# Altium PCB MAIN_PILL_PCB.PcbDoc
Units mm, origin at the board's own origin, x right, y up, seen from the top; angles counter-clockwise.
Board outline 93.09 x 88.01 mm, 2 copper layers (Top Layer, Bottom Layer); 71 components, 63 nets, 281 pads, 97 vias.
Unrouted connection lines stored in the file: 29.
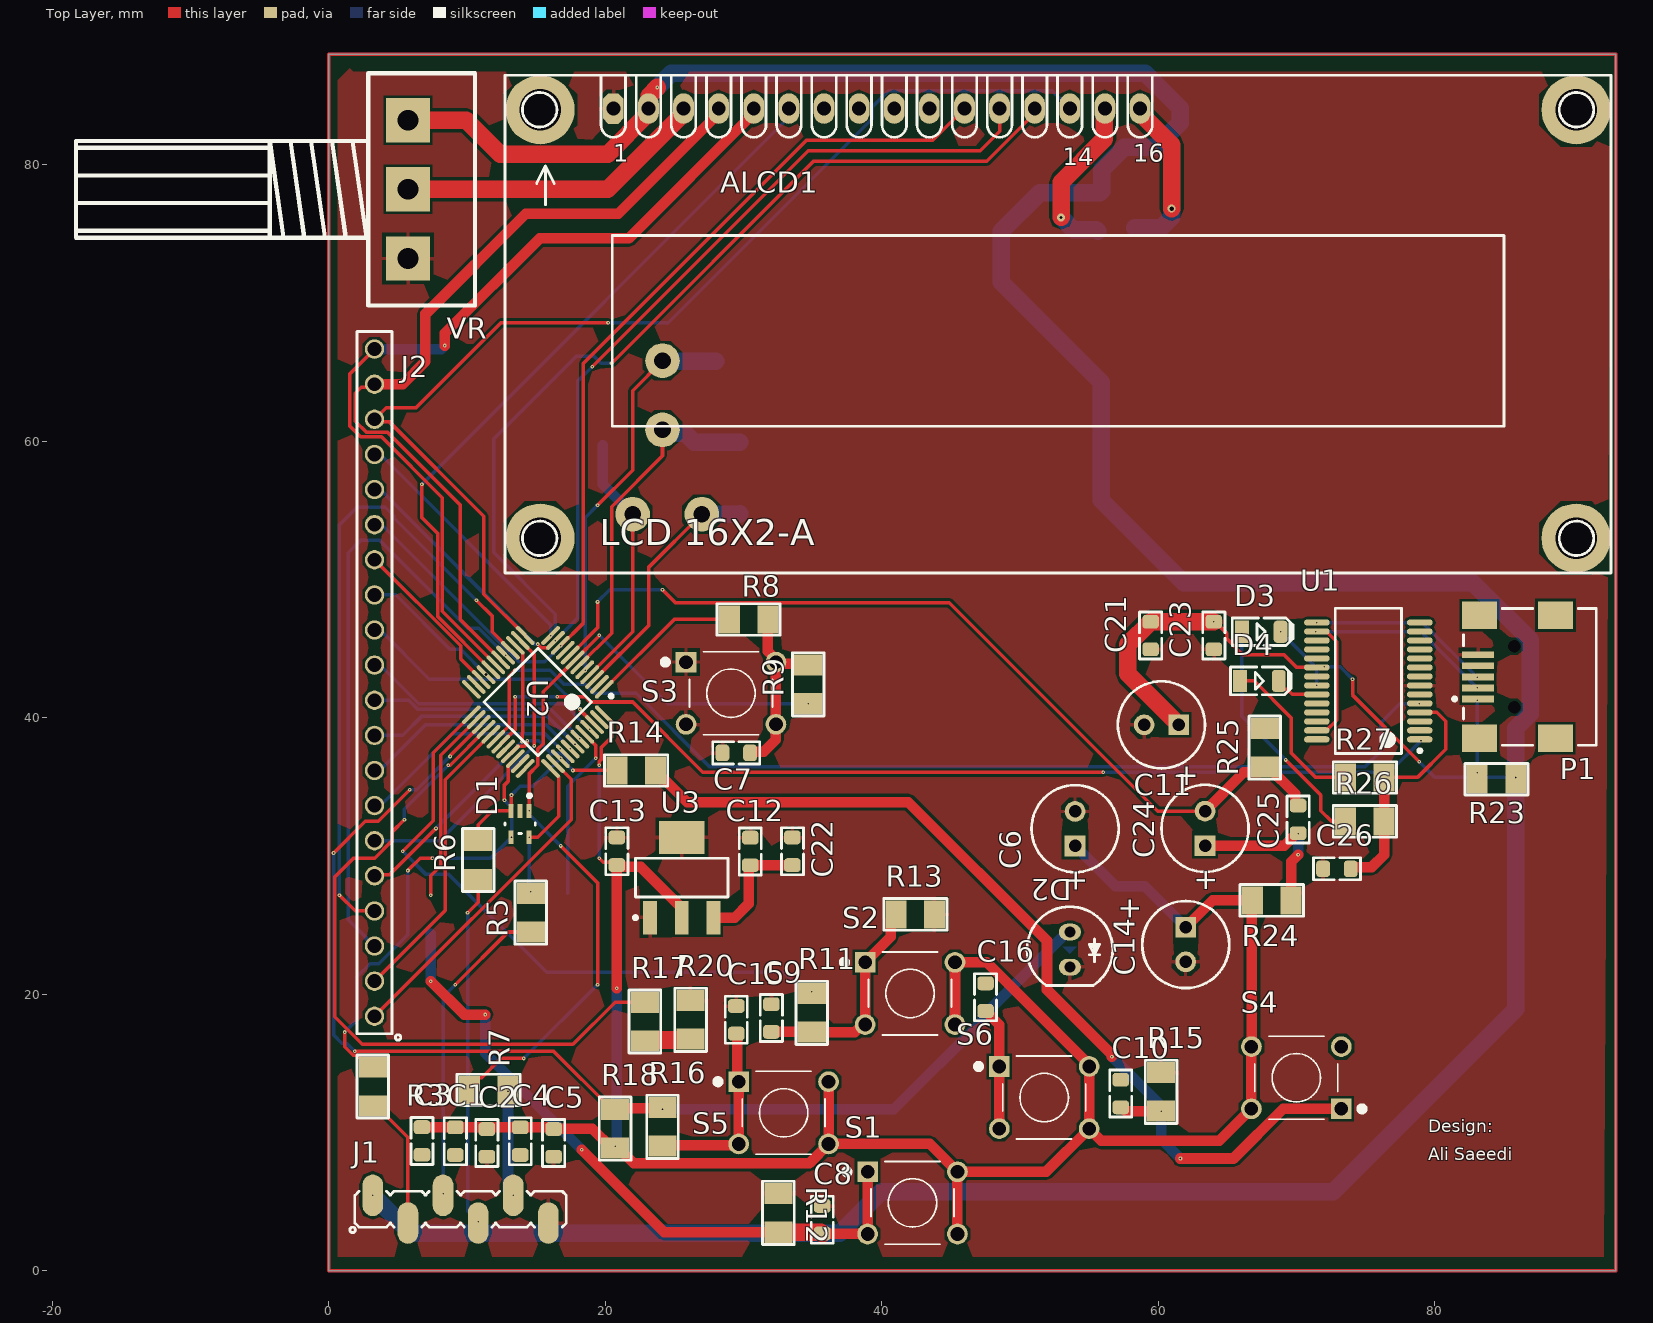
[diagram p0: Top Layer view]
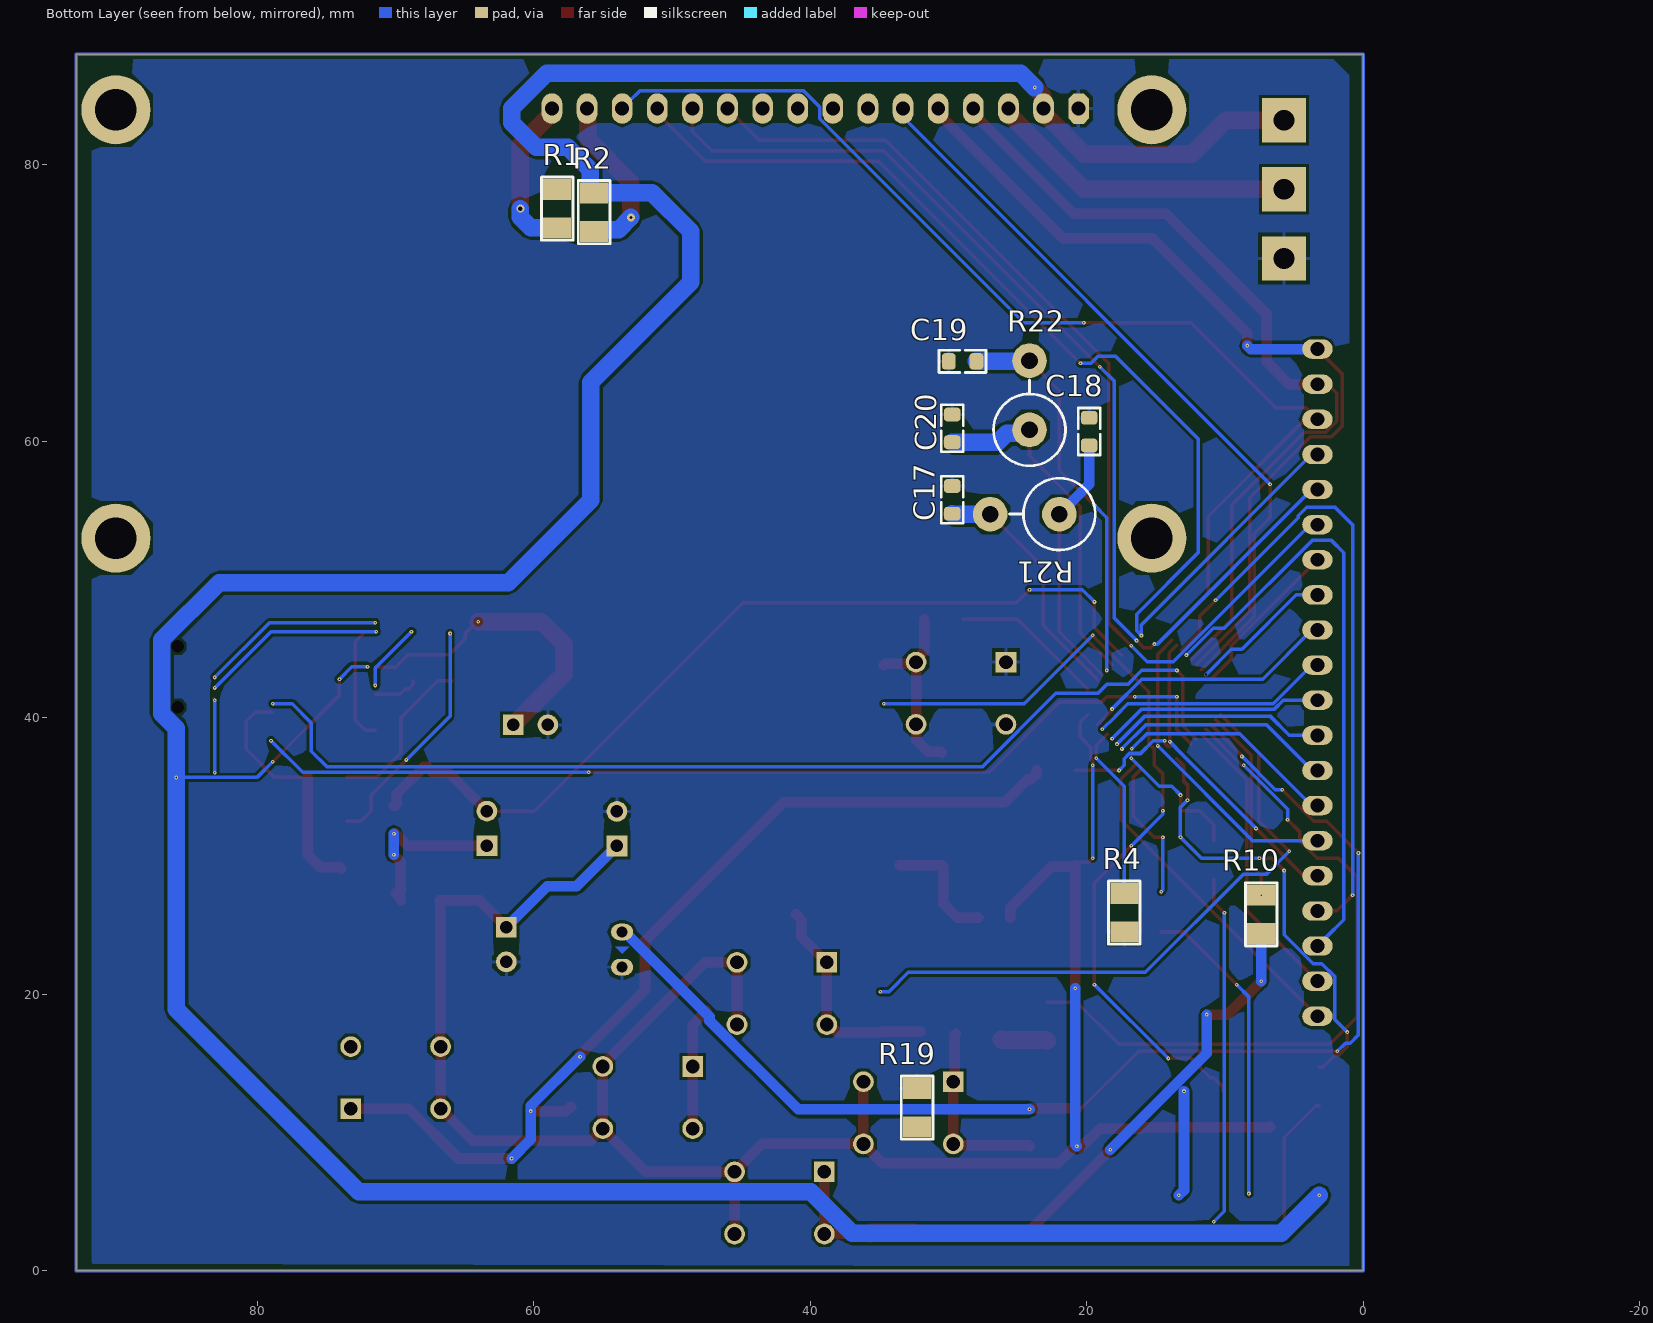
[diagram p1: Bottom Layer view, seen from below]

## Layer stack, top to bottom
Top Solder: solder mask 0.0102, Solder Resist, Dk 3.5
Top Layer: signal copper 0.0356
Dielectric 1: dielectric 0.32, FR-4, Dk 4.8
Bottom Layer: signal copper 0.0356
Bottom Solder: solder mask 0.0102, Solder Resist, Dk 3.5

## Board outline
0,0 0,88.011 93.091,88.011 93.091,0

## Design rules (kind name [scope] priority, off if disabled: settings)
Clearance [All] p1: gap=0.01 ignorepadtopadclearanceinfootprint=TRUE
PolygonConnect [All] p1: connectstyle=Relief reliefconductorwidth=0.254 reliefentries=4 polygonreliefangle="90 Angle" airgapwidth=0.254
RoutingVias [All] p1: holewidth=0.1 width=0.2 viastyle="Through Hole" minholewidth=0.1 minwidth=0.2 maxholewidth=0.711 maxwidth=1.27
SilkToSolderMaskClearance [IsPad] p1: minsilkscreentomaskgap=0.001 clearancetoexposedcopper=TRUE
SolderMaskExpansion [All] p1: expansion=0.102 istentingtop=FALSE soldermaskfromhole=TRUE
UnRoutedNet [All] p1: checkbadconnections=TRUE
Width [All] p1: maxlimit=1.27 minlimit=0.254 preferedwidth=0.762 minimp=50.000000 maximp=50.000000 favimp=50.000000
28 further rules are at their usual default settings.

## Components (designator, comment, footprint, x,y, rotation, side; value= is the part's Value field where it differs from the comment)
ALCD1 "LCD_2X16 GREEN" "LCD_2X16 GREEN" 323.68,298.809 r180 top
C1 "Capacitor C SMD 0805" C0805 9.144,9.382 r90 top value=100nf
C2 "Capacitor C SMD 0805" C0805 11.43,9.255 r90 top value=100nf
C3 "Capacitor C SMD 0805" C0805 6.731,9.398 r90 top value=100nf
C4 "Capacitor C SMD 0805" C0805 13.843,9.382 r90 top value=100nf
C5 "Capacitor C SMD 0805" C0805 16.256,9.255 r90 top value=100nf
C6 "Capacitor Electrical THD" Cap_2_(2.5mm) 53.975,31.984 r90 top value=2.2uf
C7 "Capacitor C SMD 0805" C0805 29.464,37.465 r0 top value=100nf
C8 "Capacitor C SMD 0805" C0805 35.687,3.699 r270 top value=100nf
C9 "Capacitor C SMD 0805" C0805 32.004,18.288 r270 top value=100nf
C10 "Capacitor C SMD 0805" C0805 57.277,12.827 r270 top value=100nf
C11 "Capacitor Electrical THD" Cap_2_(2.5mm) 60.218,39.497 r180 top value=10uf
C12 "Capacitor C SMD 0805" C0805 30.48,30.337 r270 top value=100nf
C13 "Capacitor C SMD 0805" C0805 20.828,30.353 r270 top value=100nf
C14 "Capacitor Electrical THD" Cap_2_(2.5mm) 61.976,23.602 r270 top value=10uf
C15 "Capacitor C SMD 0805" C0805 29.464,18.161 r270 top value=100nf
C16 "Capacitor C SMD 0805" C0805 47.498,19.796 r270 top value=100nf
C17 "Capacitor C SMD 0805" C0805 29.718,55.769 r90 bottom value=100nf
C18 "Capacitor C SMD 0805" C0805 19.812,60.706 r90 bottom value=100nf
C19 "Capacitor C SMD 0805" C0805 28.972,65.786 r0 bottom value=100nf
C20 "Capacitor C SMD 0805" C0805 29.718,60.944 r90 bottom value=100nf
C21 "Capacitor C SMD 0805" C0805 59.436,45.958 r90 top value=100nf
C22 "Capacitor C SMD 0805" C0805 33.528,30.353 r270 top value=100nf
C23 "Capacitor C SMD 0805" C0805 64.008,45.958 r90 top value=100nf
C24 "Capacitor Electrical THD" Cap_2_(2.5mm) 63.373,32.004 r90 top value=10uf
C25 "Capacitor C SMD 0805" C0805 70.104,32.655 r270 top value=100nf
C26 "Capacitor C SMD 0805" C0805 72.914,29.083 r180 top value=100nf
D1 "ESDA6V1W5" FP-SOT323-5L-MFG 13.828,32.319 r270 top value=90pF
D2 "LED THD 5mm" "LED THD 5mm (Green)" 53.594,23.241 r270 top
D3 "LED SMD 1206" "LED SMD 1206 (Blue)" 67.437,46.228 r0 top
D4 "LED SMD 1206" "LED SMD 1206 (Blue)" 67.31,42.672 r0 top
J1 "HDRM6" HDRS_M_1X6 9.525,4.461 r0 top
J2 "HDRF20" HDR_F_1X20 3.302,42.545 r90 top
P1 "USB mini" USB/SM0.8-6H5 90.975,42.967 r0 top
R1 "Resistor SMD 1206" SMD-1206-RES 58.293,76.835 r0 bottom value=1K
R2 "Resistor SMD 1206" SMD-1206-RES 55.626,76.581 r0 bottom value=1K
R3 "Resistor SMD 1206" SMD-1206-RES 3.175,13.335 r0 top value=10K
R4 "Resistor SMD 1206" SMD-1206-RES 17.272,25.908 r0 bottom value=10K
R5 "Resistor SMD 1206" SMD-1206-RES 14.605,25.908 r0 top value=10K
R6 "Resistor SMD 1206" SMD-1206-RES 10.795,29.718 r0 top value=10K
R7 "Resistor SMD 1206" SMD-1206-RES 11.557,13.081 r90 top value=10K
R8 "Resistor SMD 1206" SMD-1206-RES 30.353,47.117 r270 top value=10K
R9 "Resistor SMD 1206" SMD-1206-RES 34.671,42.418 r0 top value=1K
R10 "Resistor SMD 1206" SMD-1206-RES 7.366,25.781 r0 bottom value=1K
R11 "Resistor SMD 1206" SMD-1206-RES 34.925,18.669 r180 top value=1K
R12 "Resistor SMD 1206" SMD-1206-RES 32.512,4.191 r0 top value=10K
R13 "Resistor SMD 1206" SMD-1206-RES 42.418,25.781 r270 top value=10K
R14 "Resistor SMD 1206" SMD-1206-RES 22.225,36.195 r270 top value=1K
R15 "Resistor SMD 1206" SMD-1206-RES 60.198,12.954 r0 top value=10K
R16 "Resistor SMD 1206" SMD-1206-RES 24.13,10.414 r180 top value=1K
R17 "Resistor SMD 1206" SMD-1206-RES 22.86,18.034 r180 top value=1K
R18 "Resistor SMD 1206" SMD-1206-RES 20.701,10.287 r0 top value=10K
R19 "Resistor SMD 1206" SMD-1206-RES 32.258,11.811 r180 bottom value=10K
R20 "Resistor SMD 1206" SMD-1206-RES 26.162,18.161 r0 top value=10K
R21 "Resistor THD" R2W_AX_VER 24.471,54.737 r0 bottom value=1K
R22 "Resistor THD" R2W_AX_VER 24.13,63.333 r90 bottom value=1K
R23 "Resistor SMD 1206" SMD-1206-RES 84.455,35.56 r90 top value=10K
R24 "Resistor SMD 1206" SMD-1206-RES 68.199,26.797 r90 top value=10K
R25 "Resistor SMD 1206" SMD-1206-RES 67.691,37.846 r0 top value=10K
R26 "Resistor SMD 1206" SMD-1206-RES 74.93,32.512 r270 top value=1K
R27 "Resistor SMD 1206" SMD-1206-RES 74.93,35.687 r270 top value=1K
S1 "FSM8JH" SW_FSM8JH 42.216,4.917 r0 top
S2 "FSM8JH" SW_FSM8JH 42.037,20.066 r0 top
S3 "FSM8JH" SW_FSM8JH 29.083,41.783 r0 top
S4 "FSM8JH" SW_FSM8JH 69.977,13.97 r180 top
S5 "FSM8JH" SW_FSM8JH 32.893,11.43 r0 top
S6 "FSM8JH" SW_FSM8JH 51.741,12.537 r0 top
U1 "FT232RL" FTDI-SSOP-28_M 75.184,42.672 r180 top
U2 "STM32F103C8T6" STM-LQFP48_N 15.113,41.148 r225 top
U3 "LM1117IMP-x.x" SOT223 25.527,28.448 r0 top
VR "Volume" Volume 5.715,78.232 r270 top value=1K

## Footprints (in the part's own frame and the unit in brackets; to place one, negate y for a bottom-side part, rotate by r counter-clockwise, add the part's x,y. Pads: shape width x height; smd on the part's side, far side on the other; paste and mask are expansions set on the pad)
C0805 [mm] "CHIP Capacitor, 2.0X1.3mm, 0805 www.smartw.ir"
  rrect50% 1x1.2 smd mask+0.075: 1(-1,0) 2(1,0)
  Top Layer pour cut-out: -0.5,0.8 0.5,0.8 0.5,-0.8 -0.5,-0.8
  silkscreen extent -1.7,-0.8 1.7,0.8, body extent -1,-0.62 1,0.63, height 1
Cap_2_(2.5mm) [mm] "Capacitor, Electrolytic, Radial; Body 6.3 x 6.8 mm (Dia.xH typ); Pin Spacing 2.5 mm (typ)  (www.smartw.ir)"
  rect 1.5x1.5 hole 0.9: 1(-1.25,0)
  round 1.5 hole 0.9: 2(1.25,0)
  silkscreen extent -3.15,-3.15 3.15,3.15, body extent -3.15,-3.14 3.15,3.14, height 11
FP-SOT323-5L-MFG [mm]
  rect 1x0.35 smd paste+0 mask+0: 1(-0.95,0.65) 2(-0.95,0) 3(-0.95,-0.65) 4(0.95,-0.65) 5(0.95,0.65)
  silkscreen extent -2.17,-1.1 0.67,1.1, body extent -1.55,-1.2 1.55,1.2, height 0.25
FTDI-SSOP-28_M [mm] "SOP, 28-Leads, Body 10.5x5.6mm, Pitch 0.65mm, IPC Low Density"
  oval 1.85x0.45 smd: 1(-3.725,4.225) 2(-3.725,3.575) 3(-3.725,2.925) 4(-3.725,2.275) 5(-3.725,1.625) 6(-3.725,0.975) 7(-3.725,0.325) 8(-3.725,-0.325) 9(-3.725,-0.975) 10(-3.725,-1.625) 11(-3.725,-2.275) 12(-3.725,-2.925) 13(-3.725,-3.575) 14(-3.725,-4.225) 15(3.725,-4.225) 16(3.725,-3.575) 17(3.725,-2.925) 18(3.725,-2.275) 19(3.725,-1.625) 20(3.725,-0.975) 21(3.725,-0.325) 22(3.725,0.325) 23(3.725,0.975) 24(3.725,1.625) 25(3.725,2.275) 26(3.725,2.925) 27(3.725,3.575) 28(3.725,4.225)
  silkscreen extent -3.85,-5.25 2.4,5.25, body extent -3.9,-5.25 3.9,5.25, height 2
HDR_F_1X20 [mm] "Connector; Header; 20 Position"
  round 1.4 / inner round 1.4 / far side oval 1.4x2.2 hole 1: 1(-24.13,0) 2(-21.59,0) 3(-19.05,0) 4(-16.51,0) 5(-13.97,0) 6(-11.43,0) 7(-8.89,0) 8(-6.35,0) 9(-3.81,0) 10(-1.27,0) 11(1.27,0) 12(3.81,0) 13(6.35,0) 14(8.89,0) 15(11.43,0) 16(13.97,0) 17(16.51,0) 18(19.05,0) 19(21.59,0) 20(24.13,0)
  silkscreen extent -25.86,-1.9 25.4,1.27, body extent -25.4,-1.27 25.4,1.27, height 8.5
HDRS_M_1X6 [mm] "Connector; Header; 6 Position, SMD"
  oval 1.5x3 smd: 1(-6.35,1) 2(-3.81,-1) 3(-1.27,1) 4(1.27,-1) 5(3.81,1) 6(6.35,-1)
  silkscreen extent -8.01,-1.7 7.65,1.3, body extent -7.62,-2.4 7.62,2.4, height 9.68
"LCD_2X16 GREEN" [mm]
  oct 1.5x2.2 hole 1: 1(303.106,214.735)
  oval 1.5x2.2 hole 1: 2(300.566,214.735) 3(298.026,214.735) 4(295.486,214.735) 5(292.946,214.735) 6(290.406,214.735) 7(287.866,214.735) 8(285.326,214.735) 9(282.786,214.735) 10(280.246,214.735) 11(277.706,214.735) 12(275.166,214.735) 13(272.626,214.735) 14(270.086,214.735) 15(267.546,214.735) 16(265.006,214.735)
  round 5 hole 3: ""(233.468,214.822) ""(233.468,245.81) ""(308.398,214.822) ""(308.398,245.81)
  silkscreen extent 230.94,212.32 310.94,248.32, body extent 230.84,212.24 310.99,248.43, height 20.6
"LED SMD 1206 (Blue)" [mm] "(www.Smartw.ir)"
  rect 1x1.6 smd mask+0.075: 1(-1.4,0)
  rrect50% 1x1.6 smd mask+0.075: 2(1.4,0)
  Top Layer pour cut-out: -1.1,1.1 -1.1,-1.1 1.1,-1.1 1.1,1.1
  silkscreen extent -2.1,-1 2.3,1, body extent -1.6,-0.8 1.6,0.8, height 0.68
"LED THD 5mm (Green)" [mm] "(www.Smartw.ir)"
  oval 1.2x1.6 hole 0.8: 1(-1.27,0) 2(1.27,0)
  Bottom Layer region: -0.2,0.5 -0.2,-0.5 0.3,0
  silkscreen extent -3.1,-3.1 2.6,3.1, body extent -3,-3 2.5,3, height 9.14
R2W_AX_VER [mm] "RESISTOR 2 WATT, AXIAL0.8"
  round 2.5 hole 1.2: 1(-2.5,0) 2(2.5,0)
  silkscreen extent -5.1,-2.6 1.1,2.6, body extent -5,-2.5 2.9,2.5, height 20.3
SMD-1206-RES [mil]
  rect 80x60 smd: 1(0,55) 2(0,-55)
  silkscreen extent -45,-90 45,90, body extent -34,-66 34,66, height 33
SOT223 [mm] "(www.Smartw.ir)"
  rect 1x2.4 smd: 1(-2.3,-2.9) 2(0,-2.9) 3(2.3,-2.9)
  rect 3.3x2.4 smd: 4(0,2.9)
  silkscreen extent -3.47,-3.02 3.35,1.4, body extent -3.25,-3.48 3.25,3.48, height 1.66
STM-LQFP48_N [mm] "QFP, 48-Leads, Body 7x7mm, Pitch 0.5mm, IPC Medium Density (www.Smartw.ir)"
  oval 1.8x0.3 smd: 1(-4.05,2.75) 2(-4.05,2.25) 3(-4.05,1.75) 4(-4.05,1.25) 5(-4.05,0.75) 6(-4.05,0.25) 7(-4.05,-0.25) 8(-4.05,-0.75) 9(-4.05,-1.25) 10(-4.05,-1.75) 11(-4.05,-2.25) 12(-4.05,-2.75) 25(4.05,-2.75) 26(4.05,-2.25) 27(4.05,-1.75) 28(4.05,-1.25) 29(4.05,-0.75) 30(4.05,-0.25) 31(4.05,0.25) 32(4.05,0.75) 33(4.05,1.25) 34(4.05,1.75) 35(4.05,2.25) 36(4.05,2.75)
  oval 0.3x1.8 smd: 13(-2.75,-4.05) 14(-2.25,-4.05) 15(-1.75,-4.05) 16(-1.25,-4.05) 17(-0.75,-4.05) 18(-0.25,-4.05) 19(0.25,-4.05) 20(0.75,-4.05) 21(1.25,-4.05) 22(1.75,-4.05) 23(2.25,-4.05) 24(2.75,-4.05) 37(2.75,4.05) 38(2.25,4.05) 39(1.75,4.05) 40(1.25,4.05) 41(0.75,4.05) 42(0.25,4.05) 43(-0.25,4.05) 44(-0.75,4.05) 45(-1.25,4.05) 46(-1.75,4.05) 47(-2.25,4.05) 48(-2.75,4.05)
  silkscreen extent -4.17,-2.75 2.75,3.57, body extent -4.5,-4.5 4.5,4.5, height 1.56
SW_FSM8JH [mm]
  rect 1.498x1.498 / inner round 1.498 / far side rect 1.498x1.498 hole 0.99: 1(-3.25,2.25)
  round 1.498 hole 0.99: 2(-3.25,-2.25) 3(3.25,2.25) 4(3.25,-2.25)
  silkscreen extent -4.95,-3 3,3, body extent -3,-3.95 3,3.95, height 9.5
USB/SM0.8-6H5 [mm] "Connector; USB2.0, Type B, SM; 5 Position; Right Angle"
  rect 2.3x0.5 smd: 1(-7.85,-1.6) 2(-7.85,-0.8) 3(-7.85,0) 4(-7.85,0.8) 5(-7.85,1.6)
  rect 2.5x2 smd: 6(-7.75,4.45) 7(-2.25,4.45) 8(-7.75,-4.45) 9(-2.25,-4.45)
  round 0.6 hole 0.9 unplated: MH1(-5.25,2.2) MH2(-5.25,-2.2)
  silkscreen extent -9.67,-4.95 0.7,4.95, body extent -8.6,-4.95 0.65,4.95, height 3.93
Volume [mm]
  rect 3.2x3.2 hole 1.5: 1(-5,0) 2(5,0) 3(0,0)
  silkscreen extent -8.4,-24 8.4,4.86, body extent -7.87,-20.73 7.87,4.83, height 20.62

## Part data
D1: library part CMP-12225-000010-1, "TVS DIODE 3V SOT323-5", Breakdown Voltage=6.1V, Capacitance=90pF, Manufacturer=STMicroelectronics, Max Junction Temp=+125°C, Package=SOT323-5L, Peak Pulse Power=150W, Reverse Standoff Voltage=3V, Temperature="-40°C to +125°C", Temperature Range Low=-40°C, Automotive=No, Category=Diode, ComponentLink2Description=Datasheet, ComponentLink2URL=https://www.st.com/resource/en/datasheet/esdaxxxwx.pdf, Device Class L1="Circuit Protection", Device Class L2="TVS Diodes", Device Class L3=unset, Digikey Description="TVS DIODE 3V SOT323-5", Direction=Unidirectional, Height=1.1mm, Ipc Land Pattern Name=SOT65P210X95-5, Lead Free=Yes, Manufacturer Part Number=ESDA6V1W5, Mouser Description="TVS Diodes / ESD Suppressors 6.1V 150W Unidirect", Number Of Channels=2, Octopart=https://octopart.com/esda6v1w5-stmicroelectronics-39557953, RoHS=TRUE, Standoff Height=0mm, Temperature Range High=+125°C
J1: library part HDRS_M_1X6, "CONN, HEADER, Male, pitch: 2.54mm, 6POS, SMD", ASSEMBLY=ASSEMBLY, DESC=DESCRIPTION, MANF=Sullins, MANF_P#=PBC36SAAN, PARAM=PARAM, Price=PRICE, Website Smart World=https://www.smartw.ir/
J2: library part HDR_F_1X20, "CONN, HEADER, Female, pitch: 2.54mm, 20POS", Website Smart World=https://www.smartw.ir/
P1: "mini USB Connector", ComponentLink1Description="Website Smart World", ComponentLink1URL=https://www.smartw.ir/, ComponentLink2Description=Telegram, ComponentLink2URL=https://t.me/altium_smartw, ComponentLink3Description=Instagram, ComponentLink3URL=https://Instagram.com/smartgw.ir, DatasheetVersion=2021
S1 S2 S3 S4 S5 S6: "Tactile Switch SPST-NO Top Actuated Through Hole", Package=None, Availability="In Stock", Check_prices=https://www.snapeda.com/parts/FSM8JH/TE+Connectivity+ALCOSWITCH+Switches/view-part/?ref=eda, MF="TE Connectivity", MP=FSM8JH, Price=None, SnapEDA_Link=https://www.snapeda.com/parts/FSM8JH/TE+Connectivity+ALCOSWITCH+Switches/view-part/?ref=snap
U1: library part CMP-2000-05029-1, "IC USB FS SERIAL UART 28-SSOP", Manufacturer=FTDI, Maximum Operating Temperature=+85degC, Minimum Operating Temperature=-40degC, Package Type=SSOP, Datasheet URL=http://datasheet.octopart.com/FT232RL-FTDI-datasheet-120501.pdf, Datasheet Version="Rev. 1.04, 02/2006", Dimensions=10.2x5.3x1.75mm, Height=1.75mm, Length=10.2mm, Manufacturer URL=http://www.ftdichip.com/, Maximum Data Rate=3MBd, Mounting Type=SurfaceMount, Number of Channels per Chip=1, Pin Count=28, Receive FIFO=256B, Transmit FIFO=128B, Width=5.3mm
U2: "ARM Cortex-M3 32-bit MCU, 64 KB Flash, 20 KB Internal RAM, 37 I/Os, 48-pin LQFP, -40 to 85 degC, Tray", ComponentLink1Description="Website Smart World", ComponentLink1URL=https://www.smartw.ir/
U3: "x.x Volt, 800mA Low-Dropout Linear Regulator, 4-pin SOT-223", ComponentLink1Description="Website Smart World", ComponentLink1URL=https://www.smartw.ir/, ComponentLink2Description=Telegram, ComponentLink2URL=https://t.me/altium_smartw, ComponentLink3Description=Instagram, ComponentLink3URL=https://Instagram.com/smartgw.ir, DatasheetVersion=2021
C1 C2 C3 C4 C5 C6 C7 C8 C9 C10 C11 C12 C13 C14 C15 C16 C17 C18 C19 C20 C21 C22 C23 C24 C25 C26 D2 D3 D4 R1 R2 R3 R4 R5 R6 R7 R8 R9 R10 R11 R12 R13 R14 R15 R16 R17 R18 R19 R20 R21 R22 R23 R24 R25 R26 R27: ComponentLink1Description="Website Smart World", ComponentLink1URL=https://www.smartw.ir/, ComponentLink2Description=Telegram, ComponentLink2URL=https://t.me/altium_smartw, ComponentLink3Description=Instagram, ComponentLink3URL=https://Instagram.com/smartgw.ir, DatasheetVersion=2021
VR: Email=Razi.vesali@gmail.com, LatestRevisionDate=17-Jul-2016, LatestRevisionNote="Re-released for Puplic", Publisher="Seyed Razi vesali (SRV)"

## Via types
v1: diameter 0.27, hole 0.111, Top Layer to Bottom Layer, 94 vias
v2: diameter 0.57, hole 0.211, Top Layer to Bottom Layer, 1 vias
v3: diameter 0.57, hole 0.311, Top Layer to Bottom Layer, 1 vias
v4: diameter 0.2, hole 0.2, Top Layer to Bottom Layer, 1 vias

## Nets (pads, with @x,y where several pads share a name; then routed paths per layer and width w, separated by ;. In a path a pad name is that pad's centre, name@x,y a point inside that pad or via, vN(x,y) a via of type N, cw(c..) or ccw(c..) an arc to the next point about the centre after c; other vN are vias at no path point)
+3V3: C1.2 C2.2 C3.2 C4.2 C5.2 C6.1 C13.2 C14.1 R8.2 R18.2 R24.1 S1.3 S1.4 S2.3 S2.4 S4.3 S4.4 S5.3 S5.4 S6.3 S6.4 U2.1 U2.24 U2.36 U2.48 U3.2 | length 177.6
  Top Layer w0.254: v1(19.558,29.845) 19.562,29.845 19.847,29.56 20.621,29.56 C13.2 ; v1(19.558,36.576) 19.561,36.579 19.561,36.863 19.685,36.987 19.685,37.846 20.452,38.613 20.452,39.698 U2.48 ; U2.1 24.971,47.117 R8.2
  Top Layer w0.762: C3.2@6.723,10.406 C3.2 6.739,10.39 9.136,10.39 C1.2 C4.2 16.029,10.382 16.124,10.287 19.05,10.287 R18.2@20.447,8.89 ; v1(20.701,9.017) 20.828,9.017 22.047,7.798 34.761,7.798 S5.4 ; v1(20.828,20.447) C13.2 20.947,29.234 22.541,29.234 25.527,26.248 U3.2 ; S5.3 S5.4 ; S2.4 S2.3 47.578,22.316 54.991,14.903 S6.3 S6.4 ; S1.4 S1.3 ; C14.1 63.921,26.797 R24.1 66.765,26.76 66.765,16.257 S4.4 S4.3 64.405,9.398 55.88,9.398 S6.4 ; S5.4 43.453,9.18 S1.3 ; S1.3 51.871,7.167 S6.4
  Bottom Layer w0.254: v1(19.558,29.845) v1(19.558,36.576)
  Bottom Layer w0.762: v1(20.701,9.017) 20.828,9.144 v1(20.828,20.447) ; C6.1 56.896,27.813 59.015,27.813 C14.1
+3V3A: C24.1 C25.2 R24.2 U2.9 | length 12.5
  Top Layer w0.762: C24.1 69.103,30.754 C25.2@70.004,31.655 ; R24.2 69.596,26.924 69.977,27.305 69.723,27.305 69.596,27.432 69.596,29.591 v1(70.104,30.099)
  Bottom Layer w0.762: v1(70.104,30.099) v1(70.104,31.623)
+5: ALCD1.2 C11.1 C12.2 C21.2 C22.2 C23.2 J1.1 R2.2 R23.2 U1.20 U3.3 VR.1 | length 304.5
  Top Layer w0.254: v1(64.008,46.958) 64.108,46.958 64.929,46.137 64.929,45.749 66.101,44.577 69.088,44.577 70.018,43.647 U1.20 ; v1(74.041,42.799) 74.041,41.656 v1(78.867,36.83)
  Top Layer w0.762: U3.3 29.358,25.548 30.353,26.543 30.353,29.218 30.472,29.337 C12.2 30.488,29.345 33.52,29.345 C22.2
  Top Layer w1.27: VR.1 9.935,83.232 12.392,80.776 20.166,80.776 23.114,83.724 ALCD1.2 23.158,84.118 23.158,85.007 v1(23.749,85.598) ; C11.1 57.785,43.18 57.785,45.307 C21.2 v1(64.008,46.958)
  Bottom Layer w0.254: v1(72.009,43.688) 73.152,43.688 v1(74.041,42.799) ; v1(78.867,36.83) 80.01,35.687 v1(85.852,35.687)
  Bottom Layer w1.27: v1(3.175,5.461) 5.926,2.71 36.944,2.71 39.941,5.707 72.636,5.707 85.852,18.923 v1(85.852,35.687) 85.852,39.252 86.886,40.286 86.886,45.648 82.75,49.784 61.849,49.784 55.88,55.753 55.88,64.262 48.641,71.501 48.641,75.184 51.435,77.978 55.767,77.978 55.894,78.105 55.894,79.643 57.531,81.28 59.817,81.28 61.577,83.04 61.577,84.092 59.055,86.614 24.765,86.614 v1(23.749,85.598)
GND: ALCD1.1 C1.1 C2.1 C3.1 C4.1 C5.1 C6.2 C7.1 C8.1 C9.1 C10.1 C11.2 C12.1 C13.1 C14.2 C15.1 C16.1 C17.2 C18.2 C19.2 C20.2 C21.1 C22.1 C23.1 C26.2 D1.2 D2.2 J1.6 P1.5 R1.2 R4.1 R12.1 R13.1 R15.1 R19.1 R20.1 R25.1 S3.1 S3.2 U1.7 U1.18 U1.21 U1.25 U1.26 U2.23 U2.35 U2.47 U3.1 U3.4 VR.2
GNDA: C24.2 C25.1 R25.2 U2.8 | length 65.3
  Top Layer w0.254: U2.8 19.431,46.527 v1(19.431,48.387) ; v1(24.13,49.276) 25.07,48.336 44.882,48.336 59.964,33.254 C24.2
  Top Layer w0.762: C24.2 66.187,36.068 67.31,36.068 R25.2 67.945,36.449 69.885,34.509 69.885,33.774 70.004,33.655 C25.1
  Bottom Layer w0.254: v1(19.431,48.387) 20.32,49.276 v1(24.13,49.276)
Header_NRST: J1.5 R7.2 | length 7.7
  Bottom Layer w0.762: v1(12.954,13.005) 12.954,5.842 v1(13.335,5.461)
Header_SWCLK: J1.3 R5.2 | length 22.6
  Top Layer w0.254: J1.3 v1(8.255,5.588) ; v1(9.144,20.701) 12.954,24.511 R5.2
  Bottom Layer w0.254: v1(8.255,5.588) 8.255,19.812 v1(9.144,20.701)
Header_SWDIO: J1.2 R3.2 | length 9.7
  Top Layer w0.254: R3.2 3.429,11.938 5.715,9.652 J1.2
Header_SWO: J1.4 R6.2 | length 25.4
  Top Layer w0.254: v1(10.033,25.908) 10.795,26.67 R6.2
  Bottom Layer w0.254: v1(10.033,25.908) 10.033,4.318 v1(10.795,3.556)
LED_VEE: ALCD1.3 VR.3 | length 22.6
  Top Layer w1.27: VR.3 20.162,78.232 25.654,83.724 ALCD1.3
LEDA: ALCD1.15 R2.1 | length 12.3
  Top Layer w1.27: v2(52.959,76.2) 52.959,78.74 56.09,81.871 56.09,84.03 ALCD1.15
  Bottom Layer w1.27: v2(52.959,76.2) 53.848,75.311 55.499,75.311 R2.1
LEDK: ALCD1.16 R1.1 | length 11.8
  Top Layer w1.27: ALCD1.16 58.674,83.724 60.96,81.438 v3(60.96,76.835)
  Bottom Layer w1.27: R1.1 60.198,75.438 60.96,76.2 v3(60.96,76.835)
MICRO_BOOT0: R4.2 U2.44 | length 12.7
  Top Layer w0.254: U2.44 18.507,38.802 19.304,38.005 v1(19.304,37.084)
  Bottom Layer w0.254: R4.2 17.272,35.052 v1(19.304,37.084)
MICRO_NRST: D1.1 R7.1 R9.2 U2.7 | length 59.2
  Top Layer w0.254: R7.1 10.16,13.335 10.795,13.97 11.049,13.97 12.446,15.367 v1(14.097,15.367) ; v1(14.478,33.274) 14.478,35.941 15.113,36.576 15.113,37.749 15.494,38.13 15.494,41.883 U2.7 19.555,45.944 19.555,45.971 v1(19.558,45.974) ; v1(16.764,30.734) 19.431,28.067 v1(19.431,20.701)
  Bottom Layer w0.254: v1(14.097,15.367) v1(19.431,20.701) ; v1(14.478,33.274) 14.481,33.271 14.481,33.017 v1(16.764,30.734) ; v1(19.558,45.974) 24.511,41.021 v1(34.671,41.021)
MICRO_PA0: ALCD1.11 J2.15 U2.10 | length 74.4
  Top Layer w0.254: v1(16.764,45.212) 18.415,46.863 18.415,65.659 34.544,81.788 43.688,81.788 45.386,83.486 45.398,83.486 45.974,84.061 ALCD1.11
  Bottom Layer w0.254: J2.15 3.825,53.975 13.731,44.069 15.621,44.069 v1(16.764,45.212)
MICRO_PA1: ALCD1.12 J2.16 U2.11 | length 77.1
  Top Layer w0.254: v1(15.113,45.339) 15.116,45.336 15.116,45.312 15.356,45.073 15.856,45.073 U2.11@16.379,45.597 ; v1(19.05,65.405) 34.671,81.026 47.117,81.026 48.514,82.423 ALCD1.12
  Bottom Layer w0.254: J2.16 3.702,56.515 14.875,45.342 15.11,45.342 v1(15.113,45.339) ; v1(16.383,45.593) 17.985,47.195 17.985,64.34 v1(19.05,65.405)
MICRO_PA2: ALCD1.13 J2.17 U2.12 | length 84.5
  Top Layer w0.254: v1(20.447,65.659) 35.052,80.264 47.594,80.264 51.054,83.724 ALCD1.13
  Bottom Layer w0.254: J2.17 3.702,59.055 16.032,46.725 v1@16.032,45.961 ; v1(16.032,45.956) v1@16.032,45.961 ; v1(20.447,65.659) 19.685,65.659 19.177,66.167 17.907,66.167 11.938,60.198 11.938,51.943 16.383,47.498 16.383,46.311 v1@16.032,45.961
MICRO_PA3: ALCD1.14 J2.18 U2.13 | length 81.9
  Top Layer w0.254: U2.13 11.206,48.944 11.206,54.58 4.383,61.403 3.494,61.403 J2.18 4.142,62.435 6.301,62.435 12.446,68.58 v1(20.193,68.58)
  Bottom Layer w0.254: v1(20.193,68.58) 24.558,68.58 39.307,83.329 39.307,84.185 40.499,85.377 52.291,85.377 53.006,84.662 53.018,84.662 53.594,84.087 ALCD1.14
MICRO_PA12: R14.2 U2.33 | length 9.4
  Top Layer w0.254: U2.33 13.663,37.93 14.11,37.93 14.352,38.172 14.352,38.351 v1(14.355,38.354) ; v1(17.653,36.195) R14.2
  Bottom Layer w0.254: v1(14.355,38.354) 15.166,38.354 16.098,37.422 16.904,37.422 17.277,37.049 17.277,36.571 v1(17.653,36.195)
MICRO_PB0: ALCD1.4 J2.19 U2.18 | length 61.6
  Top Layer w0.254: J2.19 3.083,63.916 2.343,63.916 1.905,63.478 1.905,61.468 2.718,60.655 4.242,60.655 9.496,55.401 9.496,47.118 U2.18
  Top Layer w0.762: J2.19 5.334,64.135 6.985,65.786 6.985,69.215 14.224,76.454 20.924,76.454 28.194,83.724 ALCD1.4
MICRO_PB1: ALCD1.5 J2.20 U2.19 | length 64.2
  Top Layer w0.254: J2.20 1.524,64.897 1.524,61.087 2.286,60.325 3.8,60.325 8.204,55.921 8.204,47.703 U2.19
  Top Layer w0.762: v1(8.382,66.929) 8.382,67.818 15.24,74.676 21.686,74.676 30.734,83.724 ALCD1.5
  Bottom Layer w0.762: J2.20 8.128,66.675 v1(8.382,66.929)
MICRO_PB2: ALCD1.6 U2.20 | length 53.7
  Top Layer w0.254: v1(6.731,56.896) 6.731,54.481 7.874,53.338 7.874,47.33 11.719,43.485 U2.20
  Bottom Layer w0.254: v1(6.731,56.896) 6.731,56.9 33.274,83.443 ALCD1.6
MICRO_PB12: R11.2 U2.25 | length 45.7
  Top Layer w0.254: v1(5.334,30.353) 7.548,32.567 7.548,37.472 U2.25
  Bottom Layer w0.254: v1(5.334,30.353) 6.985,28.702 8.636,28.702 15.748,21.59 32.893,21.59 34.29,20.193 v1(34.925,20.193)
MICRO_PB13: R10.2 U2.26 | length 14.1
  Top Layer w0.254: v1(7.366,27.178) 7.366,28.575 8.085,29.294 8.085,37.302 U2.26
MICRO_PB14: D2.1 R16.2 R18.1 U2.27 | length 88.7
  Top Layer w0.254: v1(0.338,30.226) 2.624,32.512 3.556,32.512 v1(5.842,34.798) ; v1(1.86,15.883) 16.248,15.883 20.447,11.684 R18.1 ; v1(8.763,37.211) 8.766,37.214 8.766,37.276 U2.27
  Top Layer w0.762: R18.1 20.764,11.747 R16.2@24.066,11.747
  Bottom Layer w0.254: v1(0.338,30.226) 0.338,17.061 0.926,16.473 1.269,16.473 v1(1.86,15.883) ; v1(5.842,34.798) 5.845,34.801 6.353,34.801 v1(8.763,37.211)
  Bottom Layer w0.762: v1(24.13,11.684) 40.861,11.684 47.276,18.099 47.276,18.393 53.394,24.511 D2.1
MICRO_PB15: R17.2 U2.28 | length 50.8
  Top Layer w0.254: v1(5.461,32.639) 4.567,31.745 4.567,31.103 3.309,29.845 1.778,29.845 0.424,28.491 0.424,18.38 2.42,16.383 17.653,16.383 20.701,19.431 R17.2 ; v1(8.636,36.576) 8.639,36.579 8.776,36.579 U2.28
  Bottom Layer w0.254: v1(5.461,32.639) 5.461,33.401 v1(8.636,36.576)
MICRO_Rx: U1.1 U2.31 | length 72.6
  Top Layer w0.254: U2.31 13.462,39.143 v1(13.462,41.529) ; v1(16.51,41.529) 18.542,41.529 18.923,41.148 21.971,41.148 27.051,36.068 v1(56.007,36.068)
  Bottom Layer w0.254: v1(13.462,41.529) v1(16.51,41.529) ; v1(56.007,36.068) 76.708,36.068 v1(78.994,38.354)
MICRO_SWCLK: D1.5 R5.1 U2.37 | length 10.6
  Top Layer w0.254: v1(14.478,31.369) 15.113,31.369 16.637,32.893 16.637,35.722 16.032,36.327 U2.37 ; R5.1 v1(14.605,27.432)
  Bottom Layer w0.254: v1(14.478,31.369) 14.478,27.563 14.605,27.436 v1(14.605,27.432)
MICRO_SWDIO: D1.4 R3.1 U2.34 | length 32.4
  Top Layer w0.254: v1(1.145,17.274) 1.145,16.213 1.768,15.591 2.062,15.591 2.921,14.732 R3.1 ; v1(5.715,28.956) 6.604,29.845 v1(7.493,29.845) ; v1(12.7,34.036) 12.7,35.144 12.956,35.4 12.956,36.516 U2.34
  Bottom Layer w0.254: v1(1.145,17.274) 2.065,18.194 2.065,21.302 2.988,22.225 3.616,22.225 5.715,24.324 v1(5.715,28.956) ; v1(7.493,29.845) 11.684,29.845 v1(13.208,31.369) 13.208,33.528 v1(12.7,34.036)
MICRO_SWO: D1.3 R6.1 U2.39 | length 9.8
  Top Layer w0.254: R6.1 10.795,32.258 11.806,33.269 D1.3 13.205,33.296 13.205,34.414 v1(13.208,34.417) ; U2.39 16.739,37.059 v1(16.764,37.084)
  Bottom Layer w0.254: v1(13.208,34.417) 13.843,35.052 14.732,35.052 v1(16.764,37.084)
MICRO_Tx: U1.5 U2.30 | length 76.9
  Top Layer w0.254: U2.30 13.038,39.427 13.038,43.01 v1(13.462,43.434)
  Bottom Layer w0.254: v1(13.462,43.434) 16.002,43.434 17.018,42.418 18.542,42.418 19.177,41.783 22.225,41.783 27.559,36.449 74.93,36.449 76.073,37.592 76.073,39.624 77.47,41.021 v1(78.867,41.021)
NetC17_1: C17.1 R21.2 U2.3 | length 17.9
  Top Layer w0.254: U2.3 23.15,46.711 23.15,50.916 R21.2
  Bottom Layer w1.27: R21.2 29.686,54.737 C17.1
NetC18_1: C18.1 R21.1 U2.4 | length 18.8
  Top Layer w0.254: U2.4 21.971,46.238 R21.1
  Bottom Layer w0.762: C18.1 19.812,56.896 R21.1
NetC19_1: C19.1 R22.2 U2.5 | length 28.6
  Top Layer w0.254: U2.5 18.507,43.469 v1(18.542,43.434) ; v1(19.431,55.372) 21.971,57.912 21.971,63.674 R22.2
  Bottom Layer w0.254: v1(18.542,43.434) 18.542,54.483 v1(19.431,55.372)
  Bottom Layer w1.27: R22.2 24.177,65.786 C19.1
NetC20_1: C20.1 R22.1 U2.6 | length 25.4
  Top Layer w0.254: U2.6 20.447,46.128 20.447,55.268 24.13,58.951 R22.1
  Bottom Layer w1.27: R22.1 24.365,60.598 25.762,60.598 26.416,59.944 C20.1
NetD3_1: D3.1 R26.2 | length 17.4
  Top Layer w0.254: D3.1 66.037,46.104 v1(66.04,46.101) ; v1(69.215,36.957) 71.755,34.417 71.755,33.274 72.517,32.512 R26.2
  Bottom Layer w0.254: v1(66.04,46.101) 66.04,40.132 v1(69.215,36.957)
NetD3_2: D3.2 U1.22 | length 5
  Top Layer w0.254: v1(68.834,46.228) D3.2
  Bottom Layer w0.254: v1(68.834,46.228) 71.459,43.603 v1(71.459,42.347)
NetD4_1: D4.1 R27.2 | length 12
  Top Layer w0.254: D4.1 66.929,42.672 69.596,40.005 69.596,37.465 71.374,35.687 R27.2
NetD4_2: D4.2 U1.23 | length 3.3
  Top Layer w0.254: D4.2 68.71,42.439 69.074,42.075 69.307,42.075 69.685,41.697 U1.23
NetP1_1: P1.1 R23.1 | length 5.4
  Top Layer w0.254: v1(83.058,41.275) 83.125,41.342 P1.1
  Bottom Layer w0.254: v1(83.058,41.275) 83.058,41.271 83.071,41.258 v1(83.071,36.025)
NetP1_2: P1.2 U1.16 U1.27 | length 22.7
  Top Layer w0.254: v1(71.374,46.228) 72.178,46.228 72.898,45.508 72.898,39.836 72.159,39.097 U1.27 ; v1(83.058,42.164) 83.122,42.164 P1.2
  Bottom Layer w0.254: v1(71.374,46.228) 78.994,46.228 v1(83.058,42.164)
NetP1_3: P1.3 U1.15 | length 13.3
  Top Layer w0.254: v1(83.058,42.926) 83.084,42.926 P1.3
  Bottom Layer w0.254: v1(71.459,46.889) 75.271,46.889 75.279,46.897 79.087,46.897 v1(83.058,42.926)
Out1: J2.1 U2.38 | length 24.6
  Top Layer w0.254: J2.1 17.526,32.639 17.526,35.553 U2.38
Out2: J2.2 U2.29 | length 21.3
  Top Layer w0.254: J2.2 8.415,26.068 8.415,35.511 U2.29
Out3: J2.3 U2.17 | length 44.5
  Bottom Layer w0.254: J2.3 3.212,23.495 2.683,24.024 2.683,24.114 1.397,25.4 1.397,51.943 2.286,52.832 3.683,52.832 10.033,46.482 10.84,46.482 v1(12.78,44.542)
Out4: J2.4 U2.16 | length 47.7
  Top Layer w0.254: v1(0.762,27.178) 1.905,26.035 J2.4 ; v1(10.668,48.514) 11.811,47.371 11.811,46.218 U2.16
  Bottom Layer w0.254: v1(0.762,27.178) 0.762,53.975 2.032,55.245 4.064,55.245 4.699,54.61 4.699,54.483 v1(10.668,48.514)
Out5: J2.5 U2.15 | length 21.9
  Top Layer w0.254: J2.5 3.371,28.644 4.387,28.644 v1(7.747,32.004) ; U2.15 14.017,44.719 14.017,38.912 13.97,38.865 v1(13.97,38.269)
  Bottom Layer w0.254: v1(7.747,32.004) 13.536,37.793 13.536,37.835 v1(13.97,38.269)
Out6: J2.6 U2.14 | length 22.4
  Top Layer w0.254: U2.14 14.859,44.584 v1(14.859,37.973)
  Bottom Layer w0.254: J2.6 8.001,31.115 v1(14.859,37.973)
Out7: J2.7 U2.40 | length 16
  Bottom Layer w0.254: J2.7 3.702,33.655 8.909,38.862 15.631,38.862 v1(16.733,37.76)
Out8: J2.8 U2.41 | length 16.2
  Bottom Layer w0.254: J2.8 3.683,36.195 6.985,39.497 15.703,39.497 v1(17.446,37.754)
Out9: J2.9 U2.42 | length 15.9
  Bottom Layer w0.254: J2.9 5.334,38.735 6.731,40.132 15.775,40.132 v1(17.8,38.107)
Out10: J2.10 U2.43 | length 16
  Bottom Layer w0.254: J2.10 5.775,41.275 6.41,40.64 16.002,40.64 v1(18.161,38.481)
Out11: J2.11 U2.45 | length 17.5
  Bottom Layer w0.254: J2.11 3.702,43.815 6.496,41.021 17.018,41.021 17.938,40.101 17.938,40.091 v1(18.861,39.168)
Out12: J2.12 U2.46 | length 18.8
  Top Layer w0.254: v1(18.161,40.64) 18.164,40.637 18.164,40.572 U2.46
  Bottom Layer w0.254: J2.12 3.702,46.355 7.259,42.798 16.003,42.798 v1(18.161,40.64)
Out13: J2.13 U2.21 | length 10.5
  Bottom Layer w0.254: J2.13 4.826,48.895 8.763,44.958 9.535,44.958 v4(11.365,43.128)
Out14: J2.14 U2.22 | length 11.9
  Top Layer w0.254: J2.14 9.525,45.212 9.525,44.261 U2.22
PB_Down: C8.2 R10.1 R12.2 S1.1 S1.2 | length 48.7
  Top Layer w0.762: v1(7.366,20.955) 9.779,18.542 v1(11.303,18.542) ; v1(18.288,8.763) 24.257,2.794 R12.2 ; C8.2 35.703,2.683 38.95,2.683 S1.2 S1.1
  Top Layer w1.27: R12.2 35.592,2.794 C8.2
  Bottom Layer w0.762: v1(7.366,20.955) R10.1 ; v1(11.303,18.542) 11.303,15.748 v1(18.288,8.763)
PB_Left: C15.2 R16.1 R19.2 S5.1 S5.2 | length 13.6
  Top Layer w0.762: R16.1 24.212,9.099 29.562,9.099 S5.2 S5.1 29.554,13.769 29.554,17.071 C15.2
PB_Place: C10.2 R14.1 R15.2 S4.1 S4.2 | length 69.5
  Top Layer w0.762: R14.1 23.622,35.941 24.003,35.56 24.257,35.56 25.908,33.909 41.91,33.909 51.943,23.876 51.943,20.32 56.642,15.621 v1(56.642,15.494) ; C10.2 57.377,11.827 57.647,11.557 v1(60.198,11.557) ; v1(61.595,8.128) 65.431,8.128 69.023,11.72 S4.1
  Bottom Layer w0.762: v1(56.642,15.494) 60.198,11.938 v1(60.198,11.557) 60.198,9.525 v1(61.595,8.128)
PB_Right: C16.2 R17.1 R20.2 S6.1 S6.2 | length 12.3
  Top Layer w0.762: C16.2 47.598,18.796 47.717,18.677 47.717,18.577 48.491,17.803 S6.1 S6.2
  Top Layer w1.27: R17.1 22.924,16.7 26.098,16.7 R20.2
PB_RST: C7.2 R8.1 R9.1 S3.3 S3.4 | length 13.6
  Top Layer w0.762: C7.2 30.534,37.536 31.44,37.536 32.309,38.405 32.309,39.509 S3.4 S3.3 ; R8.1 31.75,44.815 32.333,44.232 S3.3 ; R9.1 34.562,43.924 32.442,43.924 S3.3
PB_Up: C9.2 R11.1 R13.2 S2.1 S2.2 | length 15.9
  Top Layer w0.762: C9.2 32.012,17.28 34.917,17.28 R11.1 38.044,17.272 38.588,17.816 S2.2 S2.1 40.64,24.169 40.64,25.4 R13.2
VCCIO: C26.1 R26.1 R27.1 U1.4 U1.17 | length 17.9
  Top Layer w0.254: R27.1 78.74,35.687 80.772,37.719 80.772,39.751 80.126,40.397 U1.4
  Top Layer w0.762: C26.1 73.914,29.091 74.033,29.21 75.438,29.21 76.327,30.099 R26.1 R27.1
pads on no net: ALCD1. ALCD1.7 ALCD1.8 ALCD1.9 ALCD1.10 P1.4 P1.6 P1.7 P1.8 P1.9 P1.MH1 P1.MH2 U1.2 U1.3 U1.6 U1.8 U1.9 U1.10 U1.11 U1.12 U1.13 U1.14 U1.19 U1.24 U1.28 U2.2 U2.32

## Polygon pours and split planes (outlines as drawn)
GND on Bottom Layer "GND_L02_P000" (solid, pour order 0): 92.075,0.508 91.948,0.635 91.948,87.63 2.159,87.63 1.016,86.487 1.016,0.254
GND on Top Layer "GND_L01_P002" (solid, pour order 2): 92.71,86.741 1.778,86.741 1.524,86.995 0.635,86.106 0.635,1.016 92.202,1.016

## Other copper
Multi-Layer:
  the board outline again, w0.254

## Silkscreen, mask and mechanical layers (free items; w line width, h text height)
Top Overlay:
  text "Design:" at 79.502,9.686 h1.52
  text "Ali Saeedi" at 79.534,7.672 h1.52

## Text inside footprints (layer, text, board x,y; h text height)
ALCD1: Top Overlay "LCD 16X2-A" at 19.6,52.491 h1.91; Top Overlay "16" at 58.166,80.22 h1.27; Top Overlay "1" at 20.574,80.22 h1.27; Top Overlay "14" at 53.086,79.966 h1.27
C6: Top Overlay "+" at 54.725,27.359 h1.5 r90
C11: Top Overlay "+" at 62.905,36.449 h1.5 r180
C14: Top Overlay "+" at 57.277,27.051 h1.5 r270
C24: Top Overlay "+" at 64.123,27.379 h1.5 r90
P1: Mechanical 1 "PCB Edge" at 91.407,38.931 h0.25 r90